# KiCad board Duet3_MB.kicad_pcb (continued)
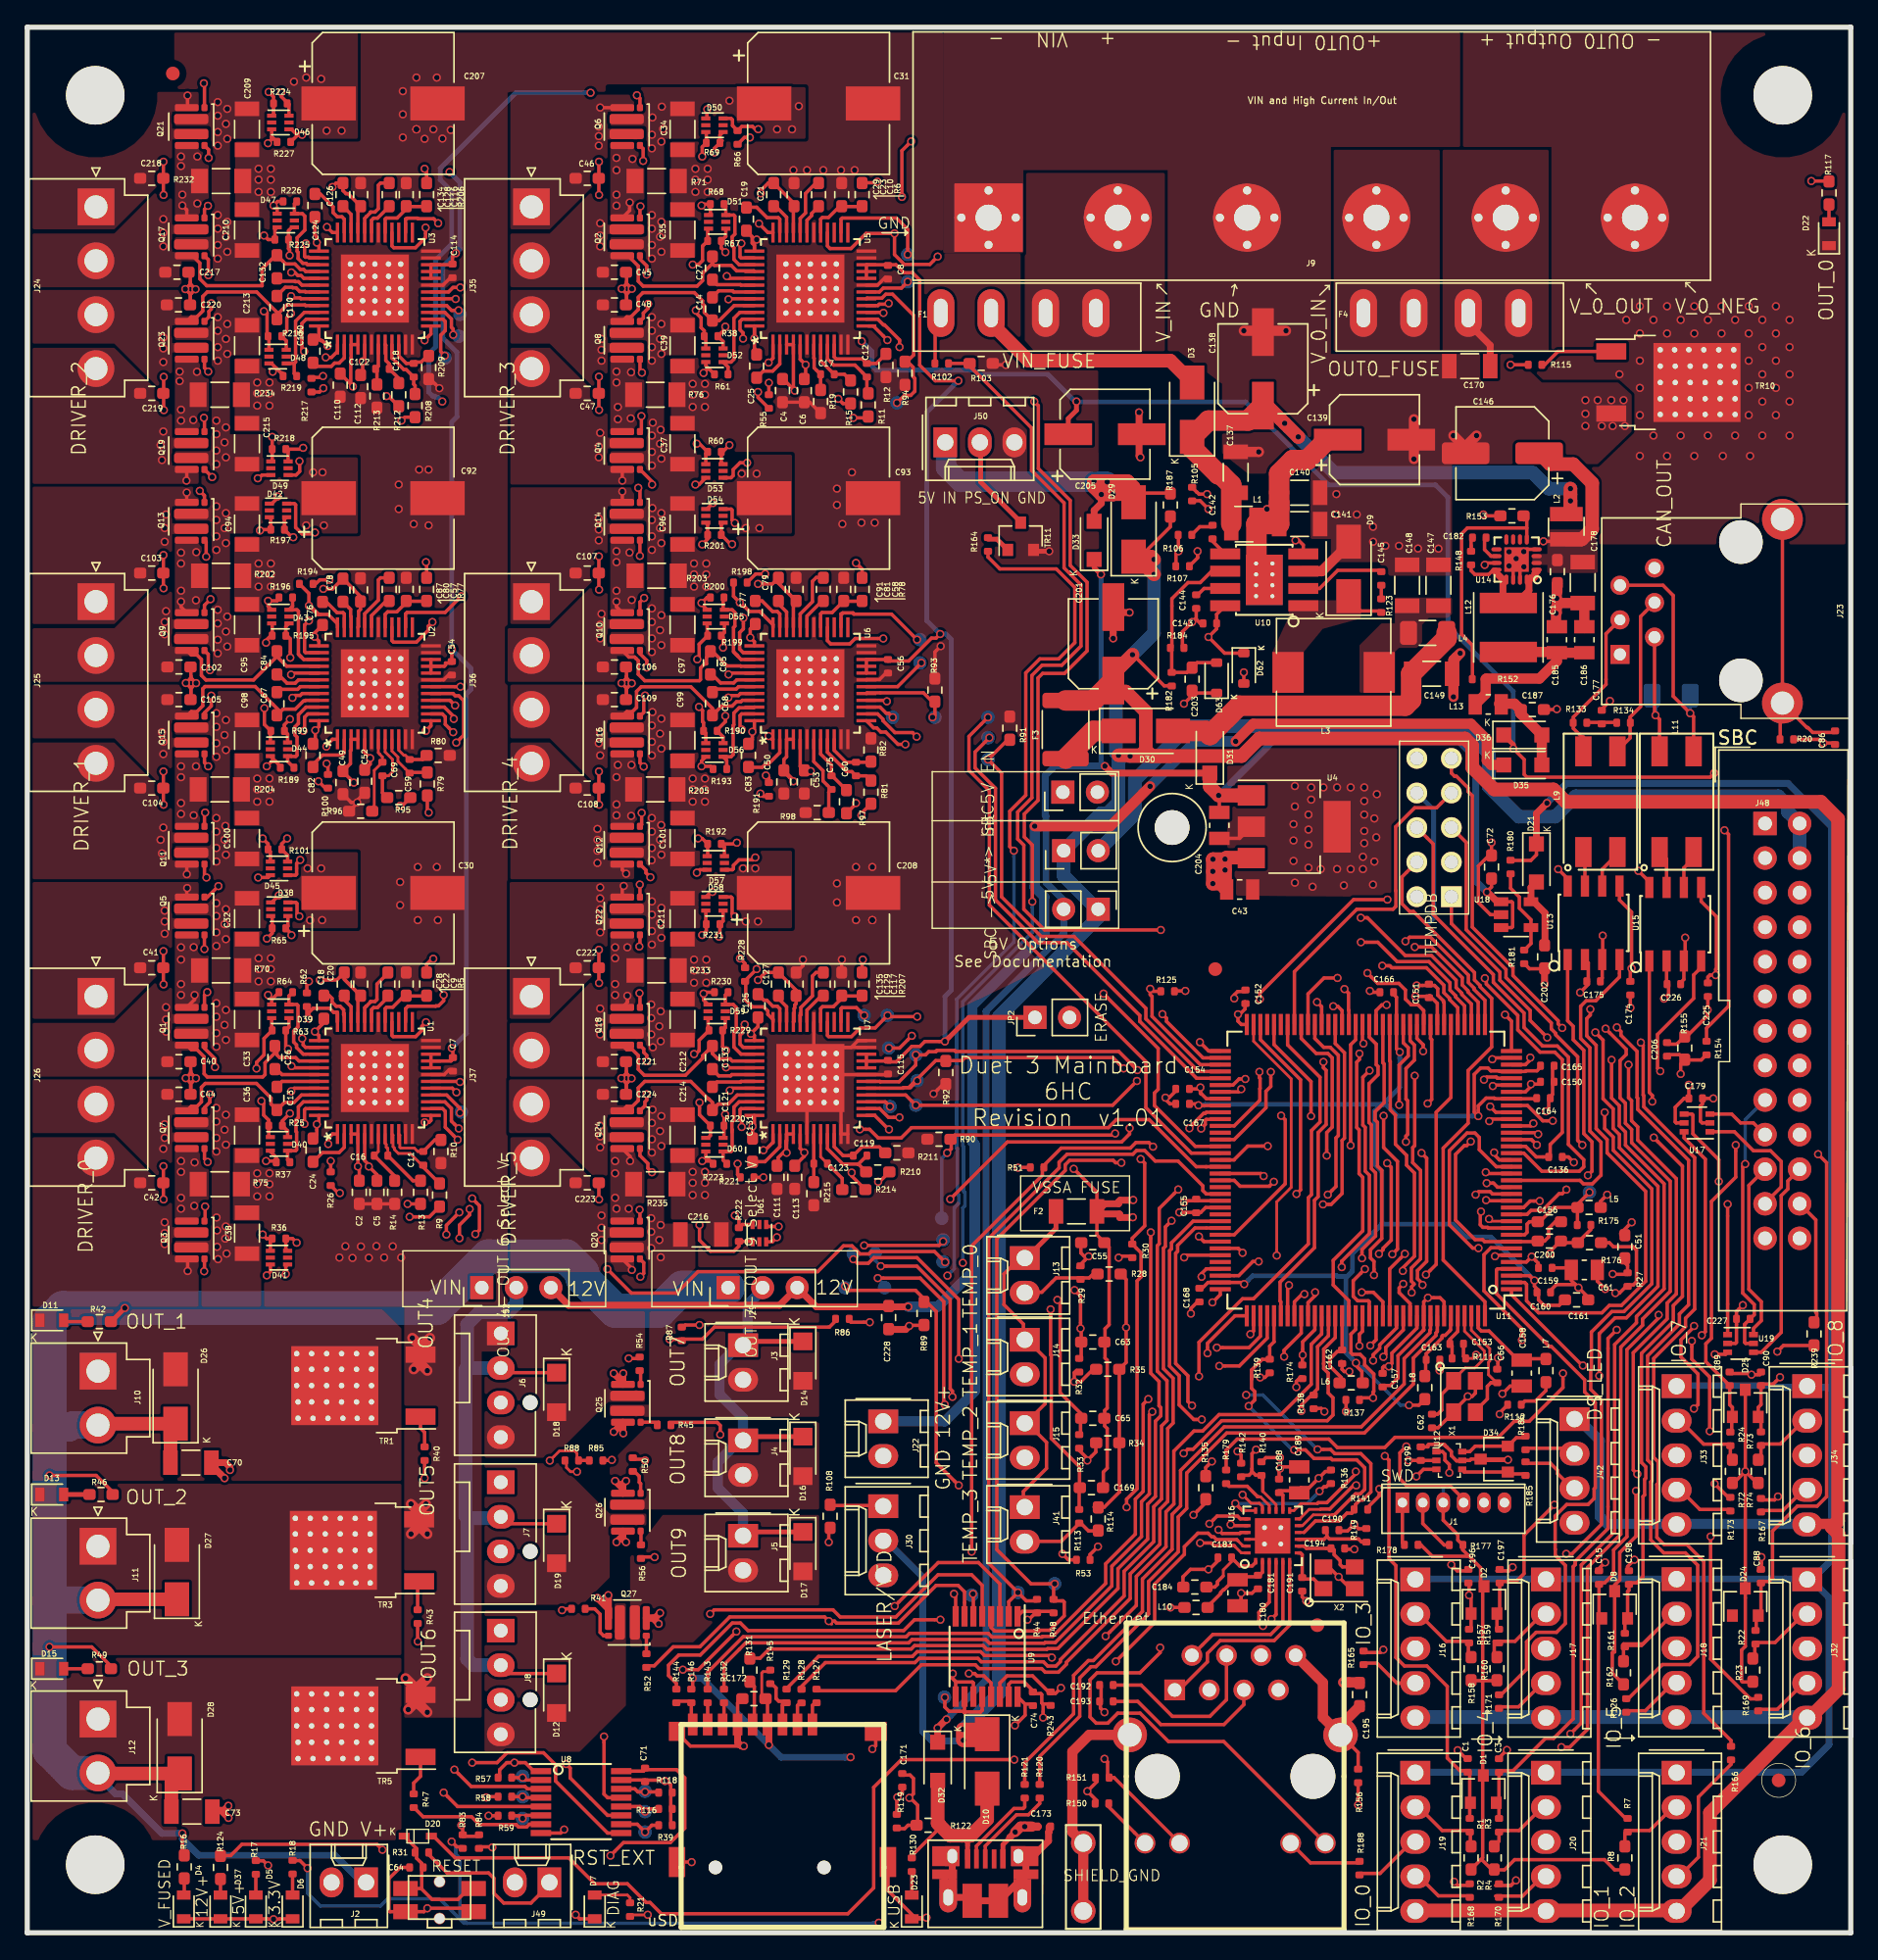
[diagram p0: board, top side]
## Routing (per net, layer and track width the routed paths; a pad name or vN(x,y) marks a point on that pad's centre or on a via; arc(x,y) is an arc through that point) (continued)
PS_ON_SW: length 7.1
  Top w0.35: TR11.3 73,103.65 70.06,106.59 70.06,109.5
QMOSI: length 43.4
  Top w0.25: U11.42 104.62,61.37 103.53,60.28 103.53,49.11 v1(102.78,48.35) ; v1(104.5,33.8) 104.5,34.4 104.18,34.72 104.18,35.17 104,35.35 U12.1
  In1.Cu w0.25: v1(102.78,48.35) 106.83,44.31 108.19,44.31 110.6,41.9 110.6,38.25 106.15,33.8 v1(104.5,33.8)
QSCK: length 37.7
  Top w0.25: v1(102.08,33.53) 102.6,34.05 U12.3 ; v1(101.08,48.63) 101.08,48.85 101.94,49.7 101.94,55.82 101.36,56.4 101.36,57.12 100.54,57.94 100.54,60.07 100.16,60.45 100.16,64.02 100.12,64.06 U11.51
  In1.Cu w0.25: v1(102.08,33.53) 102.08,33.95 102.34,34.21 102.34,35.65 103.07,36.38 103.07,39.43 103.06,39.44 103.06,44.73 100.49,47.31 100.49,48.03 v1(101.08,48.63)
RESET: length 160.8
  Top w0.25: U11.83 87.64,59.76 86.63,59.76 86.56,59.69 86.56,59.38 v1(86.26,59.08) ; D20.2 29.85,7.1 31.45,5.5 39.8,5.5 41.7,3.6 44.1,3.6 45.48,2.22 45.77,2.22 46.59,1.4 60.3,1.4 62.2,3.3 62.2,10.69 64.23,12.72 v1(72.53,12.72) ; v1(99.67,60.02) 99.67,57.69 100.69,56.67 100.69,50.23 v1(100.31,49.85) ; J1.4 105.55,31.85 104.55,32.85 101.37,32.85 100.87,33.35 100.87,35.26 v1(101.34,35.73) ; v1(81.82,56.85) 82.12,56.55 82.12,51.94 81.2,51.03 R30.1 81.85,49.95 81.85,48.19 81.56,47.89 81.56,32.62 80.78,31.85 v1(80.78,31.26)
  In1.Cu w0.25: v1(86.26,59.08) 86.26,59.15 86.25,59.16 ; v1(86.26,59.08) 88.91,59.08 89.24,59.41 92.59,59.41 93.84,60.66 94.97,60.66 95.61,60.02 v1(99.67,60.02) ; v1(86.26,59.08) 85.66,58.48 82.53,58.48 81.82,57.77 v1(81.82,56.85) ; v1(80.78,31.26) 80.78,24.36 78.62,22.19 78.62,20.94 78.63,20.93 78.63,17.19 74.16,12.72 v1(72.53,12.72) ; v1(100.31,49.85) 100.31,49.43 100.04,49.15 100.04,45.43 102.2,43.27 102.2,39.66 102.62,39.25 102.62,37.01 v1(101.34,35.73)
RESET_EXT: length 11.3
  Top w0.25: 29.39,5.9 29.39,5.86 30.85,4.4 33.9,4.4 34.3,4 34.3,2.9 35.02,2.19 37.02,2.19 37.9,3.07 37.9,3.3
RPI_3.3V: length 19.8
  Top w0.25: U19.5 126.28,43.3 126.2,43.38 126.2,44.7 C227.1 126.91,45.41 126.91,46.16 126.06,47 126.06,56.3 v1(126.24,56.48)
  Bottom w0.25: J48.17 126.24,59.72 v1(126.24,56.48)
RXD0: length 36.6
  Top w0.25: J28.6 103.32,79.99 103.32,74.81 107.73,70.4 107.73,69.83 109.99,67.58 109.99,66.51 111.35,65.15 112.44,65.15 113.25,64.34 113.25,57.93 114.38,56.8 114.38,56.27 114.06,55.95 111.3,55.95 109.97,57.28 U11.21
RXD1: length 50.3
  Top w0.25: v1(81.54,62.58) 79.76,60.8 v1(65.3,60.8) 64.55,61.55 U7.16 ; U11.32 108.04,62.78 107.95,62.87 107.24,62.87 v1(107.04,62.67)
  In1.Cu w0.25: v1(81.54,62.58) 81.97,62.58 82.19,62.8 87.03,62.8 88.47,61.36 89.82,61.36 90.01,61.56 92.66,61.56 93.2,62.1 95.44,62.1 95.99,61.55 99.21,61.55 100,62.34 106.71,62.34 v1(107.04,62.67)
SCK0: length 39.4
  Top w0.25: J28.4 101.02,77.57 101.02,75.6 101.59,75.03 101.86,75.03 106.35,70.54 106.35,70 106.77,69.59 106.77,69.5 107.61,68.65 107.61,65.08 105.88,63.35 105.88,59.48 104.05,57.65 104.05,49.42 107.12,46.36 U11.144
SCK1: length 234.6
  Top w0.25: v1(64.1,116.5) 64.1,117.02 63,118.13 62.92,118.13 62.5,118.55 U5.14 ; U3.14 30.55,118.55 30.72,118.38 30.72,117.71 30.38,117.38 30.38,116.17 v1(30.68,115.87) ; U7.14 62.65,60.55 63.29,59.91 v1(64.09,59.91) ; U11.46 102.62,67.76 102.2,68.17 101.7,68.17 101.27,68.6 101.27,69.26 100.79,69.75 99.24,69.75 v1(98.48,70.51) ; v1(65.36,87.88) 65.06,88.18 63.76,88.18 62.87,89.06 62.87,89.16 62.49,89.55 U6.14 ; v1(31.63,58.27) 30.72,59.18 30.72,60.35 30.52,60.55 U1.14 ; U2.14 30.5,89.55 30.72,89.33 30.72,88.78 v1(31.3,88.21)
  In1.Cu w0.35: 66.49,70.87 65.27,72.09 65.27,87.79 v1(65.36,87.88) 65.63,88.14 65.63,90.91 64.13,92.41 64.13,94.73 65.25,95.85 65.25,104.8 63.19,106.86 63.19,112.73 64.1,113.64 v1(64.1,116.5) ; 66.49,70.87 64.73,69.11 64.73,66.62 64.09,65.99 v1(64.09,59.91) 63.21,59.91 62.65,59.35 62.65,56.06 63.21,55.5 63.21,54.86 58.77,50.43 49.62,50.43 46.72,47.52 44.48,47.52 43.75,48.25 43.75,49.27 43.14,49.88 42.26,49.88 39.65,52.5 32.34,52.5 32,52.16 31.45,52.16 31.08,52.53 31.08,57.71 v1(31.63,58.27) 32.06,58.27 33.97,60.19 33.97,66.17 32.8,67.34 32.8,85.16 30.85,87.11 30.85,87.76 31.4,88.31 31.4,88.5 ; 66.49,70.87 66.61,70.75 84.55,70.75 84.67,70.87 97,70.87 97.12,70.75 97.82,70.75 98.06,70.51 v1(98.48,70.51) ; v1(31.3,88.21) 31.3,88.4 31.4,88.5 ; 31.4,88.5 31.66,88.5 32.12,88.96 32.12,90.55 31.79,90.87 31.5,90.87 30.52,91.85 30.52,94.62 30.9,95 30.9,98.4 32.63,100.13 32.63,114.35 31.11,115.87 v1(30.68,115.87)
SD_CD: length 80.9
  Top w0.25: U11.129 99.62,46.36 98.92,47.06 v1(98.06,47.06) ; v1(67.1,23) 65.2,23 64.4,22.2 52.97,22.2 52.41,22.76 51.81,22.76 49.46,20.41 47.88,20.41 47.12,19.66 47.12,18.9 47.7,18.32 47.7,17.79
  In1.Cu w0.25: v1(98.06,47.06) 97.22,47.9 97.22,49.25 96.94,49.53 95.39,49.53 94.54,48.68 89.07,48.68 87.5,47.11 85.59,47.11 81.42,42.94 81.23,42.94 78.12,39.83 72.58,39.83 72.15,40.26 67.89,40.26 66.73,39.1 66.73,23.79 67.1,23.42 v1(67.1,23)
SPI1_DATA_RDY: length 15.2
  Top w0.25: U19.4 127.43,42.65 128.89,44.11 128.89,54.16 129.38,54.65 129.38,55.24 J48.22
SPI1_MISO: length 13.3
  Top w0.25: U19.6 126.85,44.4 127.43,44.97 127.43,46.36 126.51,47.28 126.51,54.91 J48.21
SPI1_MOSI: length 4.7
  Top w0.25: J48.19 126.84,59.5 125.9,59.5 125.25,60.15 U17.3
SPI1_NPCS0: length 9.2
  Top w0.25: J48.24 131.43,52.37 131.43,45.59 131.5,45.52 131.5,44.85
SPI1_SPCK: length 9.7
  Top w0.25: J48.23 127.7,53.61 128.89,54.8 128.89,56.67 128.11,57.45 126.85,57.45 125.45,58.85 U17.1
spi1cs0: length 37.3
  Top w0.25: U11.133 101.62,46.23 100.81,47.03 100.81,47.38 v1(101.11,47.68) ; v1(128.6,42.7) 129.05,43.15 131.5,43.15
  In1.Cu w0.25: v1(101.11,47.68) 102.42,48.98 103.07,48.98 107.29,44.76 109.21,44.76 109.8,44.17 110.13,44.17 111.56,42.75 121.02,42.75 121.49,42.75 121.83,42.4 122.81,42.4 123.73,43.33 127.97,43.33 v1(128.6,42.7)
spi1datardy: length 25.7
  Top w0.25: U11.7 108.2,50.28 108.16,50.33 107.56,50.33 107.05,49.82 107.05,47.16 109.83,44.37 v1(109.83,43.55) ; v1(124,42.5) 124.8,42.5 U19.3
  In1.Cu w0.25: v1(124,42.5) 123.82,42.32 123.61,42.32 123.24,41.95 121.65,41.95 121.3,42.3 111.08,42.3 v1(109.83,43.55)
spi1miso: length 25.8
  Top w0.25: U19.1 v1(124.95,53.53) ; U11.13 109.96,53.28 110.44,53.76 v1(111.14,53.76)
  In1.Cu w0.25: v1(124.95,53.53) 124.53,53.53 124.47,53.59 111.74,53.59 111.56,53.76 v1(111.14,53.76)
spi1mosi: length 22.6
  Top w0.25: U17.4 122.32,60.15 122.4,60.07 122.4,58.7 124.3,56.8 v1(124.3,55.2) ; v1(113.1,54.6) 112.8,54.3 112.56,54.3 111.34,53.07 110.51,53.07 110.21,52.78 U11.12
  In1.Cu w0.25: v1(124.3,55.2) 123.24,55.2 123.07,55.03 113.53,55.03 v1(113.1,54.6)
spi1sck: length 46.2
  Top w0.25: U17.6 121.75,58.4 123.31,56.84 123.31,44.16 v1(123.05,43.9) ; v1(101.23,49.88) 100.12,48.77 U11.130
  In1.Cu w0.25: v1(123.05,43.9) 123.05,43.48 123,43.42 123,43.23 122.62,42.85 122.02,42.85 121.67,43.2 111.74,43.2 110.32,44.62 109.98,44.62 109.39,45.21 107.48,45.21 102.81,49.88 v1(101.23,49.88)
SWCLK: length 56
  Top w0.25: U11.89 88.69,56.78 ; J1.2 102.55,30.06 104.12,28.49 104.52,28.49 ; 88.67,56.78 89.69,57.8 v1(91.15,57.8) ; v1(102.45,57.29) 102.84,56.91 102.84,49.33 102.16,48.65 102.16,48.05 102.53,47.68 v1(102.53,47.6)
  In1.Cu w0.25: v1(102.53,47.6) 102.83,47.3 103.17,47.3 106.61,43.86 108,43.86 110.15,41.71 110.15,38.43 106.82,35.1 104.3,35.1 103.3,34.1 103.3,32.6 102.55,31.85 J1.2 ; v1(91.15,57.8) 91.41,58.06 93.15,58.06 94.01,58.92 101.42,58.92 102.45,57.89 v1(102.45,57.29)
SWD_EXT_RST: length 62.9
  Top w0.25: J1.5 107.05,31.85 ; U11.55 98.12,65.4 v1(98.19,65.33) ; v1(115.23,66.15) 115.8,65.58 115.8,61.28 116.54,60.53 116.54,59.1 117,58.65 117,57.68 119.83,54.84 119.83,47.5 117.51,45.18 116.68,45.18 115.52,44.02 v1(115.52,40.92)
  In1.Cu w0.25: v1(115.52,40.92) 114.19,40.92 108.65,35.38 108.51,35.38 107.05,33.92 J1.5 ; v1(98.19,65.33) 99.2,66.35 109.62,66.35 110.38,67.1 113.09,67.1 114.05,66.15 v1(115.23,66.15)
SWDIO: length 61
  Top w0.25: v1(101.96,62.96) 101.96,57.83 101.81,57.69 101.81,56.58 102.39,56.01 102.39,49.52 101.71,48.84 101.71,47.87 101.9,47.67 101.9,47.64 101.73,47.46 v1(101.73,47.04) ; U11.79 89.01,61.78 v1(89.21,61.99) ; J1.1 101.05,28.66 101.22,28.5
  In1.Cu w0.25: J1.1 101.05,31.85 101.8,32.6 102.05,32.6 102.8,33.35 102.8,34.34 104.02,35.56 106.64,35.56 109.7,38.62 109.7,41.53 108.03,43.2 106.6,43.2 103.77,46.03 102.41,46.03 102.03,46.41 102.03,46.74 v1(101.73,47.04) ; v1(101.96,62.96) 99.97,62.96 99,62 96.18,62 95.63,62.55 93.01,62.55 92.47,62.01 89.66,62.01 89.63,61.99 v1(89.21,61.99) 89.26,61.94 89.51,61.94
TEMP_0: length 37.6
  Top w0.25: 77.42,50.7 77.42,49.95 77.67,49.7 v1(78,49.7) 77.2,48.9 77.2,48.89 ; v1(107.18,55.87) 107.27,55.78 U11.18
  In1.Cu w0.25: v1(107.18,55.87) 106.75,55.87 106.2,55.32 93.79,55.32 93.75,55.36 92.78,55.36 91.97,54.55 86.43,54.55 85.27,55.72 84.12,55.72 81.6,53.2 80.94,53.2 80.61,52.87 80.61,52.27 80.64,52.24 79.38,50.98 79.28,50.98 v1(78,49.7)
TEMP_1: length 42.6
  Top w0.25: v1(76.96,47.22) 77.4,46.78 v1(77.4,44.4) 77.45,44.35 77.45,42.24 77.3,42.09 ; U11.16 108.04,54.78 107.75,55.08 v1(107.24,55.08)
  In1.Cu w0.25: v1(107.24,55.08) 106.82,55.08 106.6,54.85 106.13,54.85 106.09,54.81 95.91,54.81 95.87,54.86 93.62,54.86 93.57,54.91 92.97,54.91 92.16,54.1 86.24,54.1 85.08,55.27 84.35,55.27 83.95,54.87 83.95,54.36 81.54,51.94 81.08,51.94 79.85,50.71 79.85,50.53 76.96,47.64 v1(76.96,47.22)
TEMP_2: length 48
  Top w0.25: v1(75.7,46.5) 75.9,46.3 75.9,39.68 77.42,38.15 77.42,37.8 77.4,37.78 77.4,36.59 77.3,36.49 ; U11.15 107.67,54.28 107.5,54.45 106.65,54.45 v1(106.43,54.23)
  In1.Cu w0.25: v1(106.43,54.23) 96.85,54.23 95.39,52.77 93.77,52.77 93.3,52.3 88.15,52.3 86.38,50.53 85.8,50.53 85.57,50.76 83.84,50.76 80.04,46.96 78.71,46.96 77.87,46.13 76.07,46.13 v1(75.7,46.5)
TEMP_3: length 53.2
  Top w0.25: v1(75.2,45.8) 75.2,42.47 75.25,42.42 75.25,36.32 77.33,34.24 77.33,32.7 77.3,32.68 77.3,30.99 ; U11.14 107.25,53.78 v1(107.2,53.83)
  In1.Cu w0.25: v1(75.2,45.8) 75.62,45.8 75.75,45.68 78.06,45.68 78.89,46.51 80.23,46.51 84.03,50.31 85.34,50.31 85.57,50.08 86.56,50.08 88.33,51.85 93.48,51.85 93.95,52.32 95.57,52.32 96.75,53.5 106.41,53.5 106.53,53.61 106.99,53.61 v1(107.2,53.83)
THERMISTOR_0: length 5.7
  Top w0.25: 78.33,48.4 78.04,48.11 75.6,48.11 74.55,47.06 73.2,47.06
THERMISTOR_1: length 6.6
  Top w0.25: 77.1,41.31 76.94,41.15 v1(76.94,40.48) 77.41,40.48 78.33,41.4
  In1.Cu w0.25: 73.2,41.06 76.37,41.06 v1(76.94,40.48)
THERMISTOR_2: length 7.7
  Top w0.25: 78.53,36 78.53,35.32 v1(77.9,34.7) ; 77.9,34.8 v1(77.9,34.7) ; v1(77.9,34.7) 77.9,34.85 77.3,35.45 77.3,35.71
  In1.Cu w0.25: 73.2,34.96 77.64,34.96 v1(77.9,34.7)
THERMISTOR_3: length 7.1
  Top w0.25: 78.4,29.53 77.99,29.53 77.3,30.21 77.3,30.07 75.98,28.76 73.2,28.76 73.55,29.11
  In1.Cu w0.25: 73.53,29.09 73.2,28.76
TXD0: length 35.7
  Top w0.25: v1(107.79,57.33) 107.79,57.17 108.18,56.78 U11.20 ; v1(114.27,57.88) 113.93,58.22 113.93,64.36 112.32,65.98 112.32,66.08 111.99,66.4 111.99,66.84 108.66,70.17 108.66,70.77 105.74,73.7 105.74,80.11 J28.5
  In1.Cu w0.25: v1(114.27,57.88) 113.65,57.26 108.29,57.26 108.22,57.33 v1(107.79,57.33)
TXD1: length 83.4
  Top w0.25: v1(31.71,59.09) 31.17,59.63 31.17,60.57 30.69,61.05 U1.15 ; v1(86.3,48.2) 86.3,48.43 86.64,48.78 U11.105 ; v1(60.71,49.49) 61.01,49.19 61.8,49.19 62.21,49.6 65.39,49.6 68.45,46.54 v1(68.45,42.17)
  In1.Cu w0.25: v1(68.45,42.17) 68.87,42.17 68.97,42.27 79.88,42.27 81,43.39 81.24,43.39 85.74,47.9 86,47.9 v1(86.3,48.2) ; v1(60.71,49.49) 60.25,49.03 50.2,49.03 46.86,45.68 42.79,45.68 41.01,47.47 41.01,48.52 39.6,49.93 31.15,49.93 30.17,50.9 30.17,57.7 31.18,58.7 31.18,58.8 31.47,59.09 v1(31.71,59.09)
  Bottom w0.25: TP26.1 60.7,49.49 v1(60.71,49.49)
U0_CS0: length 26.8
  Top w0.25: v1(90.58,68.6) 90.58,69.02 97.46,75.91 v1(99.95,75.91) ; v1(86.17,65.43) 86.82,64.78 U11.73
  In1.Cu w0.25: v1(90.58,68.6) 90.28,68.3 90.28,66.92 88.79,65.43 v1(86.17,65.43) ; J28.3 103.56,77.57 101.61,77.57 v1(99.95,75.91)
U0_CS1: length 50.9
  Top w0.25: v1(95.25,63.98) 95.25,63.56 95.44,63.36 95.44,59.38 94.86,58.79 94.86,54.08 94.59,53.81 94.59,50.33 92.06,47.8 92.06,46.41 92.12,46.36 U11.114 ; v1(111.69,65.78) 110.44,67.03 110.44,67.76 108.21,69.99 108.21,70.59 104.65,74.15 J28.1
  In1.Cu w0.25: v1(111.69,65.78) 110.46,65.78 110.13,65.44 100.3,65.44 99,64.14 98.38,64.14 97.92,63.68 95.55,63.68 v1(95.25,63.98)
U0_CS2: length 24.3
  Top w0.25: J28.7 103.56,82.65 101.95,82.65 100.56,81.26 100.56,76.57 100.57,76.55 100.57,75.41 100.36,75.2 97.7,75.2 93.12,70.61 U11.65
U0_CS3: length 59.8
  Top w0.25: v1(112.79,66.48) 112.49,66.78 112.49,67.01 109.17,70.33 109.17,70.9 106.19,73.89 106.19,83.55 105.87,83.86 105.87,84.12 105.02,84.97 104.88,84.97 104.65,85.2 J28.9 ; v1(97.89,64.59) 97.89,64.17 97.69,63.97 97.69,59.16 97.87,58.99 97.87,55.77 98.14,55.5 98.14,51.57 95.97,49.4 95.97,47.59 97.12,46.44 U11.124
  In1.Cu w0.25: v1(112.79,66.48) 110.39,66.48 109.81,65.9 100.12,65.9 98.81,64.59 v1(97.89,64.59)
V_BK_IN: length 46.4
  Top w1: v1(113.4,106.1) 113.4,104.53 ; C138.1 91.1,112.2 v1(92.4,110.9) v1(93.4,109.9) ; 113.4,104.53 v1(113.4,105.2) ; 113.4,104.53 113.1,104.22 113.22,104.22 ; 88.47,105.47 L1.2 88.47,103.8
  Top w1.5: C138.1 89.7,111.1 86.8,111.1 D3.1 85.6,109.07 87.52,107.15 87.7,107.15 88.47,106.38 L1.2
  Bottom w1: v1(113.4,105.2) v1(113.4,106.1) 111.8,106.1 110.62,107.28 96.02,107.28 v1(92.4,110.9)
V_FUSED: length 219.1
  Top w0.25: v1(1.64,21) 4.74,21 6.18,19.56 6.18,19.4 ; 6.3,32.2 6.3,32.37 5.07,33.6 v1(1.64,33.6) ; 11.54,5.72 11.4,5.85 v1(11.4,7.3) ; 67.83,118.28 67.13,118.97 ; v1(21.5,70) 22.75,70 C20.2 23.3,70.05 C28.1 ; C91.1 55.6,98.75 ; C91.1 56.3,97.65 U6.33 ; C91.1 55.2,99.15 C79.2 54.75,99.1 v1(53.7,99.1) ; F1.1 66.72,118.59 66.72,115.3 ; C28.1 23.35,70 ; C28.1 24.3,68.65 U1.33 ; v1(21.76,98.73) 22.44,98.73 C78.2 24.03,98.66 24.03,98.63 24.49,98.18 24.49,97.23 24.35,97.09 24.35,95.96 U2.33 ; v1(53.7,70) 54.25,70.55 C127.2 56.5,69.25 56.5,68.27 56.4,68.17 56.4,67.95 56.36,67.91 56.36,67.59 56.35,67.59 56.35,66.96 U7.33 ; v1(53.9,127.8) 53.9,128 54.45,128.55 C21.2 56.3,127.1 U5.33 ; v1(22.43,128.26) 22.43,128.28 22.7,128.55 C126.2 23.2,128 23.43,127.77 23.58,127.77 C134.1 24.3,126.65 U3.33
  Top w0.35: 6.18,44.9 6.18,44.91 v1(7.17,45.9)
  Top w1: D3.2 84,115.5 73.58,115.5 70.83,118.25 F1.1 ; C73.1 10.59,11.09 D28.1 ; D28.1 5.24,11.7 J12.2 ; D28.1 11.39,11.5 ; 10.52,34.54 10.52,37.03 D26.1 5.3,37.4 J10.2 ; D27.1 5.26,24.5 J11.2
  Top w1.5: 70.7,118.26 70.7,119.01
  Bottom w0.5: 5.1,11.6 6.5,10.2 7,10.2 9.9,7.3 v1(11.4,7.3) 11.4,6.9 12.6,5.7 22.6,5.7 24.6,3.7 J2.1
  Bottom w2: 1.64,37.1 3.09,37.1 3.29,37.3 J10.2 ; J11.2 1.68,24.44 1.64,24.4
  Bottom w2.5: J12.2 3.29,11.74 1.64,13.39 v1(1.64,21) v1(1.64,33.6) 1.64,44.93 2.61,45.9 30.09,45.9 33.89,49.7 39.58,49.7 40.78,48.5 40.78,48.13 43.21,45.7 46.45,45.7 48.15,47.4 J29.1
  vias: v1(13.9,111.1) v1(13.9,110.1) v1(13.9,108.9) v1(13.9,107.9) v1(13.9,104.8) v1(13.9,103.8) v1(13.9,102.6) v1(13.9,101.6) v1(13.9,89.6) v1(13.9,88.6) v1(13.9,87.4) v1(13.9,86.4) v1(13.9,81.9) v1(13.9,80.9) v1(13.9,79.7) v1(13.9,78.7) v1(13.9,75.65) v1(13.9,74.7) v1(13.9,73.5) v1(13.9,72.5) v1(13.9,68.3) v1(13.9,67.3) v1(13.9,66.1) v1(13.9,65.1) v1(13.9,60.6) v1(13.9,59.6) v1(13.9,58.4) v1(13.9,57.4) v1(13.91,52.55) v1(14,134.5) v1(14,133.5) v1(14,132.3) v1(14,131.3) v1(14,126.2) v1(14,125.2) v1(14,124) v1(14,123) v1(14,118.7) v1(14,117.7) v1(14,116.5) v1(14,115.5) v1(14,97.2) v1(14,96.2) v1(14,95) v1(14,94) v1(13.95,51.6) v1(13.95,50.4) v1(14.02,49.49) v1(14.5,109.5) v1(14.5,103.2) v1(14.5,88) v1(14.5,80.3) v1(14.5,74.1) v1(14.5,66.7) v1(14.5,59) v1(14.55,51) v1(14.6,132.9) v1(14.6,124.6) v1(14.6,117.1) v1(14.6,110.6) v1(14.6,108.4) v1(14.6,104.3) v1(14.6,102.1) v1(14.6,95.6) v1(14.6,89.1) v1(14.6,86.9) v1(14.56,81.32) v1(14.6,79.2) v1(14.6,75.2) v1(14.6,73) v1(14.6,67.8) v1(14.6,65.6) v1(14.6,60.1) v1(14.6,57.9) v1(14.59,51.89) v1(14.65,49.9) v1(14.7,134) v1(14.7,131.8) v1(14.7,125.7) v1(14.7,123.5) v1(14.7,118.2) v1(14.7,116) v1(14.7,96.7) v1(14.7,94.5) v1(19.6,136) v1(20.5,136.3) v1(20.5,103.4) v1(20.6,78.2) v1(20.79,74.39) v1(21,107.3) v1(21.6,136.2) v1(21.6,78.2) v1(21.7,107.3) v1(21.67,74.4) v1(21.8,103.4) v1(22,132.4) v1(23.1,132.4) v1(45.85,68.2) v1(45.85,67.2) v1(45.85,66) v1(45.85,52.5) v1(45.85,51.5) v1(45.85,50.3) v1(45.94,133.37) v1(45.9,132.1) v1(45.9,131.1) v1(45.9,126.2) v1(45.9,125.2) v1(45.9,124) v1(45.9,123) v1(45.9,118.7) v1(45.9,117.7) v1(45.9,116.5) v1(45.9,115.5) v1(45.9,110) v1(45.9,108.8) v1(45.9,107.8) v1(45.94,104.67) v1(45.9,103.8) v1(45.9,102.6) v1(45.9,101.6) v1(45.9,97.3) v1(45.9,96.3) v1(45.9,95.1) v1(45.9,94.1) v1(45.94,89.68) v1(45.9,88.7) v1(45.9,87.5) v1(45.9,86.5) v1(45.9,81.9) v1(45.9,80.9) v1(45.9,79.7) v1(45.88,78.8) v1(45.9,75.77) v1(45.9,74.8) v1(45.9,73.6) v1(45.9,72.6) v1(45.95,60.48) v1(45.9,59.5) v1(45.9,58.3) v1(45.9,57.33) v1(45.97,110.95) v1(45.97,65.06) v1(46.5,124.6) v1(46.5,117.1) v1(46.55,110.42) v1(46.5,109.4) v1(46.5,103.2) v1(46.5,95.7) v1(46.5,88.1) v1(46.5,80.3) v1(46.5,74.2) v1(46.55,67.7) v1(46.45,66.6) v1(46.55,65.5) v1(46.5,58.9) v1(46.55,52) v1(46.45,50.9) v1(46.55,49.63) v1(46.63,134.16) v1(46.6,131.6) v1(46.6,125.7) v1(46.6,123.5) v1(46.6,118.2) v1(46.6,116) v1(46.6,108.3) v1(46.6,104.3) v1(46.6,102.1) v1(46.6,96.8) v1(46.6,94.6) v1(46.6,89.2) v1(46.6,87) v1(46.59,81.38) v1(46.6,79.2) v1(46.6,75.3) v1(46.6,73.1) v1(46.6,60) v1(46.6,57.8) v1(46.73,132.53) v1(51.6,134.6) v1(52.5,107.2) v1(52.6,78.2) v1(52.8,103.2) v1(52.8,74.3) v1(53.5,78.2) v1(53.6,107.2) v1(53.7,74.3) v1(53.8,103.2) v1(55.1,132.5) v1(56.2,132.5) v1(56.7,134.2)
V_OUT0_OUT: length 34.4
  Top w0.25: 132.4,128.7 v1(131.1,128.7)
  Top w0.5: C170.1 107.5,116.63 105.89,118.25 F4.2
  In1.Cu w0.25: F4.2 110.84,119 113.74,121.9 119.4,121.9 126.2,128.7 v1(131.1,128.7) ; 106.65,126 109.7,126
V_OUTLC1: length 51.7
  Top w0.25: D18.1 35.14,41.15 J6.2 34.95,41.49 ; D12.1 35.41,19.05 J8.2 ; D19.1 35.31,30.05 J7.2 34.8,30.46
  Top w0.35: 35.14,20 J8.2 ; 34.86,30.4 34.8,30.46 ; 34.96,41.65 J6.2
  Bottom w1: 32.33,30.5 32.2,30.63 32.2,41.37 32.33,41.5 ; 32.33,30.5 32.37,30.46 34.8,30.46 ; 32.33,30.5 32.33,20.12 32.78,19.66 J8.2 ; 32.33,41.5 32.33,44.7 33.23,45.6 35.34,45.6 35.94,46.2 J52.2 ; 32.33,41.5 32.33,41.49 J6.2
V_OUTLC2: length 35.7
  Top w0.35: D17.1 52.85,29.45 52.6,29.2 ; D14.1 52.8,43.45 52.55,43.2 ; D16.1 52.85,36.45 52.6,36.2
  Bottom w0.75: 54.2,47.4 52.94,46.14 52.94,43.59 52.55,43.2 52.32,43.2 50.87,41.75 50.87,39.55 52.6,37.82 52.6,36.2 52.37,36.2 50.75,34.58 50.75,32.67 52.6,30.82 52.6,29.2
VREF_MON: length 60.9
  Top w0.2: U11.11 107.58,52.28 v1(107.42,52.44)
  Top w0.25: 78.4,31.28 79.15,31.28 80.28,32.4 80.25,32.43 R34.1 R35.1 80.75,41.9 v1(80.75,44.47) 80.75,48 R28.1 ; 80.38,48.4 80.3,48.32 ; 113.93,50.7 114.88,51.66 114.88,52 ; 112.66,50.82 111.9,50.06 v1(111.9,49.9) ; 112.72,50.82 112.84,50.7 113.82,50.7
  In1.Cu w0.25: v1(111.9,49.9) 109.78,52.02 107.84,52.02 v1(107.42,52.44) 107.12,52.14 106.36,52.14 105.47,53.03 97.09,53.03 95.93,51.87 94.28,51.87 93.81,51.4 88.52,51.4 86.41,49.29 85.57,49.29 v1(80.75,44.47)
VREFN: length 76.7
  Top w0.25: v1(76.9,56.13) 78.61,54.42 F2.2 ; 79.08,32.7 79.08,33.85 79.36,34.13 79.36,37.05 79.17,37.24 79.17,38.37 79.36,38.55 79.36,42.06 79.2,42.22 79.2,44.38 79.5,44.68 79.5,50.38 78.61,51.27 F2.2 ; F2.2 78.61,53.21 ; F2.2 78.55,52.95 78.25,52.95 ; 110.95,50.82 110.91,50.82 111.5,50.82 111.8,51.12 111.8,51.75 112.29,52.24 112.72,52.24 ; v1(106.07,58.13) 105.77,57.83 105.6,57.83 104.96,57.19 104.96,52.35 106.39,50.93 106.94,50.93 107.09,50.78 U11.8 110.94,50.78 110.97,50.82